# KiCad board motordecoder2-k3066v3-p.kicad_pcb (continued)
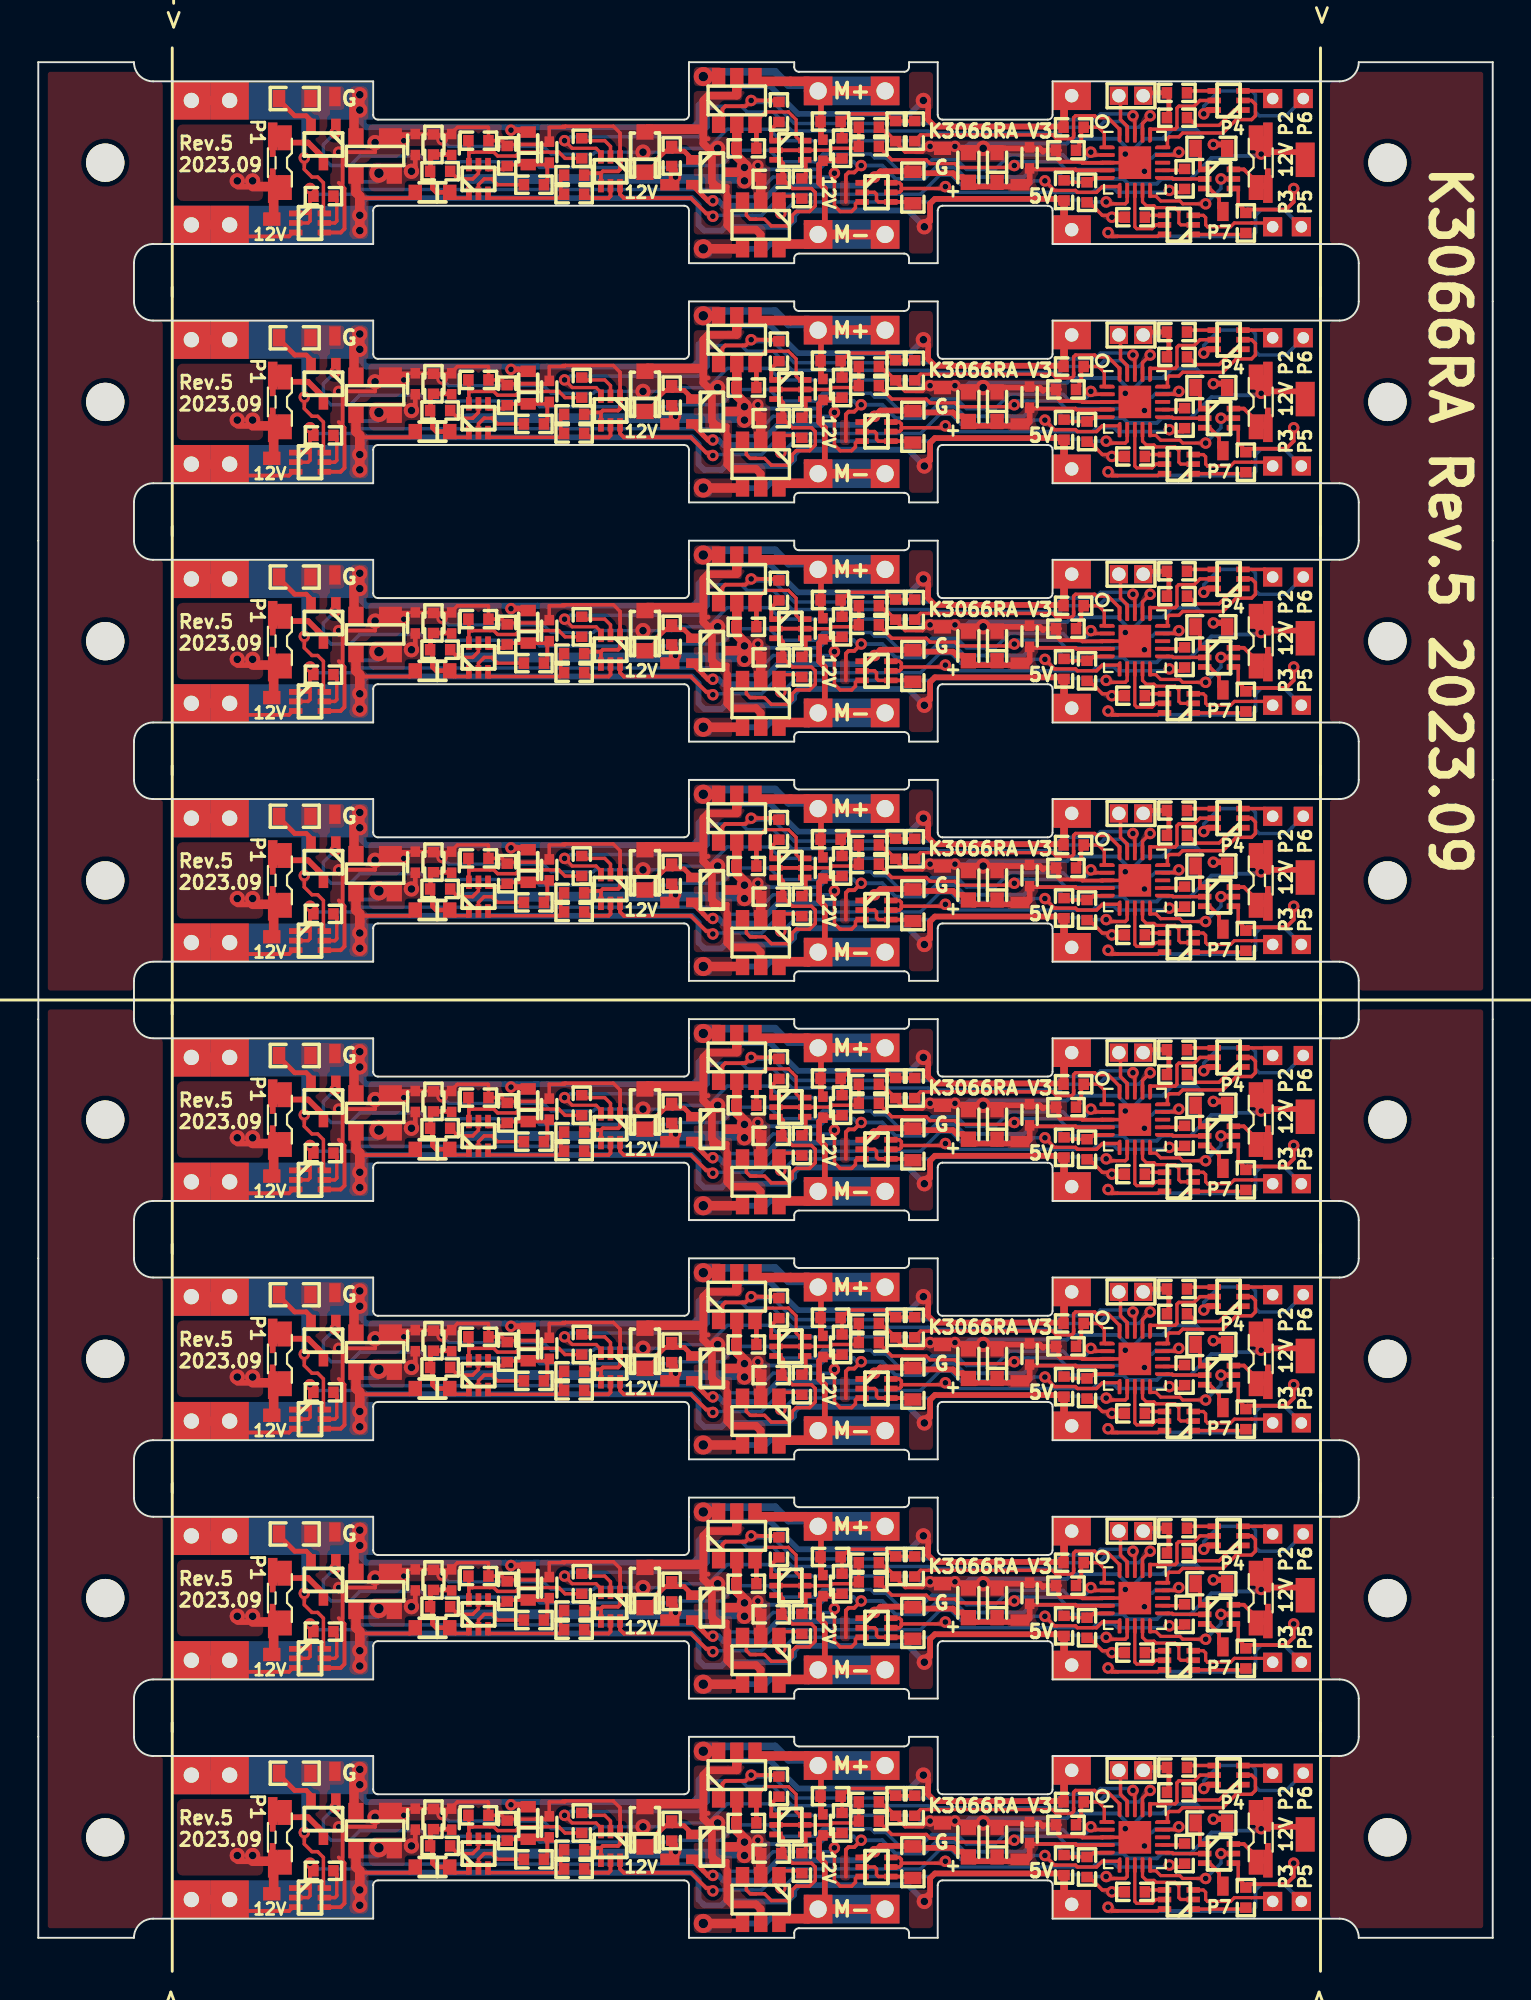
[diagram p0: board, top side]
## Copper pours and planes (outline as drawn; the poured copper is in the pictures) (continued)
MOTOR- on Bottom: 42.24,51.7 42.07,51.71 41.92,51.73 41.8,51.76 41.7,51.8 41.61,51.85 41.52,51.91 41.42,51.97 41.33,52.03 41.21,52.1 41.08,52.17 40.38,51.5 41.08,50.83 41.21,50.9 41.33,50.97 41.42,51.03 41.52,51.09 41.61,51.15 41.7,51.2 41.8,51.24 41.92,51.27 42.07,51.29 42.24,51.3
MOTOR- on Bottom: 40.25,38.25 39.5,38.25 39.25,38 39.25,37.75 34.25,37.75 34.25,38.75 35.75,38.75 36,39 39.25,39 40,39.75 40.25,39.75
MOTOR- on Bottom: 40.25,0.75 39.5,0.75 39.25,0.5 39.25,0.25 34.25,0.25 34.25,1.25 35.75,1.25 36,1.5 39.25,1.5 40,2.25 40.25,2.25
MOTOR- on Bottom: 41.74,76.7 41.63,76.71 41.54,76.73 41.48,76.77 41.42,76.82 41.37,76.88 41.28,77 41.23,77.07 41.16,77.12 41.08,77.17 40.38,76.5 41.08,75.83 41.16,75.88 41.23,75.93 41.28,76 41.37,76.12 41.42,76.18 41.48,76.23 41.54,76.27 41.63,76.29 41.74,76.3
MOTOR- on Bottom: 40.25,50.75 39.5,50.75 39.25,50.5 39.25,50.25 34.25,50.25 34.25,51.25 35.75,51.25 36,51.5 39.25,51.5 40,52.25 40.25,52.25
MOTOR- on Bottom: 40.25,63.25 39.5,63.25 39.25,63 39.25,62.75 34.25,62.75 34.25,63.75 35.75,63.75 36,64 39.25,64 40,64.75 40.25,64.75
MOTOR- on Bottom: 41.74,39.2 41.63,39.21 41.54,39.23 41.48,39.27 41.42,39.32 41.37,39.38 41.28,39.5 41.23,39.57 41.16,39.62 41.08,39.67 40.38,39 41.08,38.33 41.16,38.38 41.23,38.43 41.28,38.5 41.37,38.62 41.42,38.68 41.48,38.73 41.54,38.77 41.63,38.79 41.74,38.8
MOTOR- on Bottom: 42.24,26.7 42.07,26.71 41.92,26.73 41.8,26.76 41.7,26.8 41.61,26.85 41.52,26.91 41.42,26.97 41.33,27.03 41.21,27.1 41.08,27.17 40.38,26.5 41.08,25.83 41.21,25.9 41.33,25.97 41.42,26.03 41.52,26.09 41.61,26.15 41.7,26.2 41.8,26.24 41.92,26.27 42.07,26.29 42.24,26.3
MOTOR- on Bottom: 42.24,39.2 42.07,39.21 41.92,39.23 41.8,39.26 41.7,39.3 41.61,39.35 41.52,39.41 41.42,39.47 41.33,39.53 41.21,39.6 41.08,39.67 40.38,39 41.08,38.33 41.21,38.4 41.33,38.47 41.42,38.53 41.52,38.59 41.61,38.65 41.7,38.7 41.8,38.74 41.92,38.77 42.07,38.79 42.24,38.8
MOTOR- on Bottom: 42.24,1.7 42.07,1.71 41.92,1.73 41.8,1.76 41.7,1.8 41.61,1.85 41.52,1.91 41.42,1.97 41.33,2.03 41.21,2.1 41.08,2.18 40.38,1.5 41.08,0.82 41.21,0.9 41.33,0.97 41.42,1.03 41.52,1.09 41.61,1.15 41.7,1.2 41.8,1.24 41.92,1.27 42.07,1.29 42.24,1.3
MOTOR- on Bottom: 42.24,76.7 42.07,76.71 41.92,76.73 41.8,76.76 41.7,76.8 41.61,76.85 41.52,76.91 41.42,76.97 41.33,77.03 41.21,77.1 41.08,77.17 40.38,76.5 41.08,75.83 41.21,75.9 41.33,75.97 41.42,76.03 41.52,76.09 41.61,76.15 41.7,76.2 41.8,76.24 41.92,76.27 42.07,76.29 42.24,76.3
MOTOR- on Bottom: 41.74,51.7 41.63,51.71 41.54,51.73 41.48,51.77 41.42,51.82 41.37,51.88 41.28,52 41.23,52.07 41.16,52.12 41.08,52.17 40.38,51.5 41.08,50.83 41.16,50.88 41.23,50.93 41.28,51 41.37,51.12 41.42,51.18 41.48,51.23 41.54,51.27 41.63,51.29 41.74,51.3
MOTOR- on Bottom: 42.76,1.3 42.93,1.29 43.08,1.27 43.2,1.24 43.3,1.2 43.39,1.15 43.48,1.09 43.58,1.03 43.67,0.97 43.79,0.9 43.92,0.82 44.62,1.5 43.92,2.18 43.79,2.1 43.67,2.03 43.58,1.97 43.48,1.91 43.39,1.85 43.3,1.8 43.2,1.76 43.08,1.73 42.93,1.71 42.76,1.7
MOTOR- on Bottom: 40.25,25.75 39.5,25.75 39.25,25.5 39.25,25.25 34.25,25.25 34.25,26.25 35.75,26.25 36,26.5 39.25,26.5 40,27.25 40.25,27.25
MOTOR- on Bottom: 42.76,63.8 42.93,63.79 43.08,63.77 43.2,63.74 43.3,63.7 43.39,63.65 43.48,63.59 43.58,63.53 43.67,63.47 43.79,63.4 43.92,63.33 44.62,64 43.92,64.67 43.79,64.6 43.67,64.53 43.58,64.47 43.48,64.41 43.39,64.35 43.3,64.3 43.2,64.26 43.08,64.23 42.93,64.21 42.76,64.2
MOTOR- on Bottom: 41.74,64.2 41.63,64.21 41.54,64.23 41.48,64.27 41.42,64.32 41.37,64.38 41.28,64.5 41.23,64.57 41.16,64.62 41.08,64.67 40.38,64 41.08,63.33 41.16,63.38 41.23,63.43 41.28,63.5 41.37,63.62 41.42,63.68 41.48,63.73 41.54,63.77 41.63,63.79 41.74,63.8
MOTOR- on Bottom: 40.25,75.75 39.5,75.75 39.25,75.5 39.25,75.25 34.25,75.25 34.25,76.25 35.75,76.25 36,76.5 39.25,76.5 40,77.25 40.25,77.25
MOTOR- on Bottom: 42.76,26.3 42.93,26.29 43.08,26.27 43.2,26.24 43.3,26.2 43.39,26.15 43.48,26.09 43.58,26.03 43.67,25.97 43.79,25.9 43.92,25.83 44.62,26.5 43.92,27.17 43.79,27.1 43.67,27.03 43.58,26.97 43.48,26.91 43.39,26.85 43.3,26.8 43.2,26.76 43.08,26.73 42.93,26.71 42.76,26.7
MOTOR- on Bottom: 42.24,14.2 42.07,14.21 41.92,14.23 41.8,14.26 41.7,14.3 41.61,14.35 41.52,14.41 41.42,14.47 41.33,14.53 41.21,14.6 41.08,14.67 40.38,14 41.08,13.32 41.21,13.4 41.33,13.47 41.42,13.53 41.52,13.59 41.61,13.65 41.7,13.7 41.8,13.74 41.92,13.77 42.07,13.79 42.24,13.8
MOTOR- on Bottom: 42.76,76.3 42.93,76.29 43.08,76.27 43.2,76.24 43.3,76.2 43.39,76.15 43.48,76.09 43.58,76.03 43.67,75.97 43.79,75.9 43.92,75.83 44.62,76.5 43.92,77.17 43.79,77.1 43.67,77.03 43.58,76.97 43.48,76.91 43.39,76.85 43.3,76.8 43.2,76.76 43.08,76.73 42.93,76.71 42.76,76.7
MOTOR- on Bottom: 41.74,26.7 41.63,26.71 41.54,26.73 41.48,26.77 41.42,26.82 41.37,26.88 41.28,27 41.23,27.07 41.16,27.12 41.08,27.17 40.38,26.5 41.08,25.83 41.16,25.88 41.23,25.93 41.28,26 41.37,26.12 41.42,26.18 41.48,26.23 41.54,26.27 41.63,26.29 41.74,26.3
MOTOR- on Bottom: 42.76,13.8 42.93,13.79 43.08,13.77 43.2,13.74 43.3,13.7 43.39,13.65 43.48,13.59 43.58,13.53 43.67,13.47 43.79,13.4 43.92,13.32 44.62,14 43.92,14.67 43.79,14.6 43.67,14.53 43.58,14.47 43.48,14.41 43.39,14.35 43.3,14.3 43.2,14.26 43.08,14.23 42.93,14.21 42.76,14.2
RAIL+ on Top: 8.01,95.75 8.24,95.74 8.43,95.71 8.59,95.67 8.73,95.61 8.86,95.54 8.98,95.47 9.1,95.38 9.23,95.29 9.38,95.2 9.56,95.1 10.5,96 9.56,96.9 9.38,96.8 9.23,96.71 9.1,96.62 8.98,96.53 8.86,96.46 8.73,96.39 8.59,96.33 8.43,96.29 8.24,96.26 8.01,96.25
RAIL+ on Top: 9.99,96.25 9.76,96.26 9.57,96.29 9.41,96.33 9.27,96.39 9.14,96.46 9.02,96.53 8.9,96.62 8.77,96.71 8.62,96.8 8.44,96.9 7.5,96 8.44,95.1 8.62,95.2 8.77,95.29 8.9,95.38 9.02,95.47 9.14,95.54 9.27,95.61 9.41,95.67 9.57,95.71 9.76,95.74 9.99,95.75
RAIL+ on Top: 17,94.25 16.25,94.25 16.25,96.75 17.25,96.75 17.25,95 17,95
RAIL+ on Top: 46.75,95.5 45.5,95.5 45.5,97.5 46.75,97.5
RAIL+ on Top: 8.01,20.75 8.24,20.74 8.43,20.71 8.59,20.67 8.73,20.61 8.86,20.54 8.98,20.47 9.1,20.38 9.23,20.29 9.38,20.2 9.56,20.1 10.5,21 9.56,21.9 9.38,21.8 9.23,21.71 9.1,21.62 8.98,21.53 8.86,21.46 8.73,21.39 8.59,21.33 8.43,21.29 8.24,21.26 8.01,21.25
RAIL+ on Top: 46.75,58 45.5,58 45.5,60 46.75,60
RAIL+ on Top: 8.01,70.75 8.24,70.74 8.43,70.71 8.59,70.67 8.73,70.61 8.86,70.54 8.98,70.47 9.1,70.38 9.23,70.29 9.38,70.2 9.56,70.1 10.5,71 9.56,71.9 9.38,71.8 9.23,71.71 9.1,71.62 8.98,71.53 8.86,71.46 8.73,71.39 8.59,71.33 8.43,71.29 8.24,71.26 8.01,71.25
RAIL+ on Top: 9.99,83.75 9.76,83.76 9.57,83.79 9.41,83.83 9.27,83.89 9.14,83.96 9.02,84.03 8.9,84.12 8.77,84.21 8.62,84.3 8.44,84.4 7.5,83.5 8.44,82.6 8.62,82.7 8.77,82.79 8.9,82.88 9.02,82.97 9.14,83.04 9.27,83.11 9.41,83.17 9.57,83.21 9.76,83.24 9.99,83.25
RAIL+ on Top: 46.75,83 45.5,83 45.5,85 46.75,85
RAIL+ on Top: 46.75,70.5 45.5,70.5 45.5,72.5 46.75,72.5
RAIL+ on Top: 17,31.75 16.25,31.75 16.25,34.25 17.25,34.25 17.25,32.5 17,32.5
RAIL+ on Top: 46.75,45.5 45.5,45.5 45.5,47.5 46.75,47.5
RAIL+ on Top: 17,44.25 16.25,44.25 16.25,46.75 17.25,46.75 17.25,45 17,45
RAIL+ on Top: 8.01,83.25 8.24,83.24 8.43,83.21 8.59,83.17 8.73,83.11 8.86,83.04 8.98,82.97 9.1,82.88 9.23,82.79 9.38,82.7 9.56,82.6 10.5,83.5 9.56,84.4 9.38,84.3 9.23,84.21 9.1,84.12 8.98,84.03 8.86,83.96 8.73,83.89 8.59,83.83 8.43,83.79 8.24,83.76 8.01,83.75
RAIL+ on Top: 8.01,58.25 8.24,58.24 8.43,58.21 8.59,58.17 8.73,58.11 8.86,58.04 8.98,57.97 9.1,57.88 9.23,57.79 9.38,57.7 9.56,57.6 10.5,58.5 9.56,59.4 9.38,59.3 9.23,59.21 9.1,59.12 8.98,59.03 8.86,58.96 8.73,58.89 8.59,58.83 8.43,58.79 8.24,58.76 8.01,58.75
RAIL+ on Top: 46.75,33 45.5,33 45.5,35 46.75,35
RAIL+ on Top: 46.75,8 45.5,8 45.5,10 46.75,10
RAIL+ on Top: 8.01,8.25 8.24,8.24 8.43,8.21 8.59,8.17 8.73,8.11 8.86,8.04 8.98,7.97 9.1,7.88 9.23,7.79 9.38,7.7 9.56,7.6 10.5,8.5 9.56,9.4 9.38,9.3 9.23,9.21 9.1,9.12 8.98,9.03 8.86,8.96 8.73,8.89 8.59,8.83 8.43,8.79 8.24,8.76 8.01,8.75
RAIL+ on Top: 17,56.75 16.25,56.75 16.25,59.25 17.25,59.25 17.25,57.5 17,57.5
RAIL+ on Top: 9.99,21.25 9.76,21.26 9.57,21.29 9.41,21.33 9.27,21.39 9.14,21.46 9.02,21.53 8.9,21.62 8.77,21.71 8.62,21.8 8.44,21.9 7.5,21 8.44,20.1 8.62,20.2 8.77,20.29 8.9,20.38 9.02,20.47 9.14,20.54 9.27,20.61 9.41,20.67 9.57,20.71 9.76,20.74 9.99,20.75
RAIL+ on Top: 9.99,58.75 9.76,58.76 9.57,58.79 9.41,58.83 9.27,58.89 9.14,58.96 9.02,59.03 8.9,59.12 8.77,59.21 8.62,59.3 8.44,59.4 7.5,58.5 8.44,57.6 8.62,57.7 8.77,57.79 8.9,57.88 9.02,57.97 9.14,58.04 9.27,58.11 9.41,58.17 9.57,58.21 9.76,58.24 9.99,58.25
RAIL+ on Top: 9.99,8.75 9.76,8.76 9.57,8.79 9.41,8.83 9.27,8.89 9.14,8.96 9.02,9.03 8.9,9.12 8.77,9.21 8.62,9.3 8.44,9.4 7.5,8.5 8.44,7.6 8.62,7.7 8.77,7.79 8.9,7.88 9.02,7.97 9.14,8.04 9.27,8.11 9.41,8.17 9.57,8.21 9.76,8.24 9.99,8.25
RAIL+ on Top: 8.01,33.25 8.24,33.24 8.43,33.21 8.59,33.17 8.73,33.11 8.86,33.04 8.98,32.97 9.1,32.88 9.23,32.79 9.38,32.7 9.56,32.6 10.5,33.5 9.56,34.4 9.38,34.3 9.23,34.21 9.1,34.12 8.98,34.03 8.86,33.96 8.73,33.89 8.59,33.83 8.43,33.79 8.24,33.76 8.01,33.75
RAIL+ on Top: 17,69.25 16.25,69.25 16.25,71.75 17.25,71.75 17.25,70 17,70
RAIL+ on Top: 46.75,20.5 45.5,20.5 45.5,22.5 46.75,22.5
RAIL+ on Top: 9.99,33.75 9.76,33.76 9.57,33.79 9.41,33.83 9.27,33.89 9.14,33.96 9.02,34.03 8.9,34.12 8.77,34.21 8.62,34.3 8.44,34.4 7.5,33.5 8.44,32.6 8.62,32.7 8.77,32.79 8.9,32.88 9.02,32.97 9.14,33.04 9.27,33.11 9.41,33.17 9.57,33.21 9.76,33.24 9.99,33.25
RAIL+ on Top: 9.99,71.25 9.76,71.26 9.57,71.29 9.41,71.33 9.27,71.39 9.14,71.46 9.02,71.53 8.9,71.62 8.77,71.71 8.62,71.8 8.44,71.9 7.5,71 8.44,70.1 8.62,70.2 8.77,70.29 8.9,70.38 9.02,70.47 9.14,70.54 9.27,70.61 9.41,70.67 9.57,70.71 9.76,70.74 9.99,70.75
RAIL+ on Top: 17,6.75 16.25,6.75 16.25,9.25 17.25,9.25 17.25,7.5 17,7.5
RAIL+ on Top: 17,19.25 16.25,19.25 16.25,21.75 17.25,21.75 17.25,20 17,20
RAIL+ on Top: 9.99,46.25 9.76,46.26 9.57,46.29 9.41,46.33 9.27,46.39 9.14,46.46 9.02,46.53 8.9,46.62 8.77,46.71 8.62,46.8 8.44,46.9 7.5,46 8.44,45.1 8.62,45.2 8.77,45.29 8.9,45.38 9.02,45.47 9.14,45.54 9.27,45.61 9.41,45.67 9.57,45.71 9.76,45.74 9.99,45.75
RAIL+ on Top: 17,81.75 16.25,81.75 16.25,84.25 17.25,84.25 17.25,82.5 17,82.5
RAIL+ on Top: 8.01,45.75 8.24,45.74 8.43,45.71 8.59,45.67 8.73,45.61 8.86,45.54 8.98,45.47 9.1,45.38 9.23,45.29 9.38,45.2 9.56,45.1 10.5,46 9.56,46.9 9.38,46.8 9.23,46.71 9.1,46.62 8.98,46.53 8.86,46.46 8.73,46.39 8.59,46.33 8.43,46.29 8.24,46.26 8.01,46.25
RAIL+ on Bottom: 11.99,96.25 11.76,96.26 11.57,96.29 11.41,96.33 11.27,96.39 11.14,96.46 11.02,96.53 10.9,96.62 10.77,96.71 10.62,96.8 10.44,96.9 9.5,96 10.44,95.1 10.62,95.2 10.77,95.29 10.9,95.38 11.02,95.47 11.14,95.54 11.27,95.61 11.41,95.67 11.57,95.71 11.76,95.74 11.99,95.75
RAIL+ on Bottom: 11.99,71.25 11.76,71.26 11.57,71.29 11.41,71.33 11.27,71.39 11.14,71.46 11.02,71.53 10.9,71.62 10.77,71.71 10.62,71.8 10.44,71.9 9.5,71 10.44,70.1 10.62,70.2 10.77,70.29 10.9,70.38 11.02,70.47 11.14,70.54 11.27,70.61 11.41,70.67 11.57,70.71 11.76,70.74 11.99,70.75
RAIL+ on Bottom: 11.99,8.75 11.76,8.76 11.57,8.79 11.41,8.83 11.27,8.89 11.14,8.96 11.02,9.03 10.9,9.12 10.77,9.21 10.62,9.3 10.44,9.4 9.5,8.5 10.44,7.6 10.62,7.7 10.77,7.79 10.9,7.88 11.02,7.97 11.14,8.04 11.27,8.11 11.41,8.17 11.57,8.21 11.76,8.24 11.99,8.25
RAIL+ on Bottom: 11.99,33.75 11.76,33.76 11.57,33.79 11.41,33.83 11.27,33.89 11.14,33.96 11.02,34.03 10.9,34.12 10.77,34.21 10.62,34.3 10.44,34.4 9.5,33.5 10.44,32.6 10.62,32.7 10.77,32.79 10.9,32.88 11.02,32.97 11.14,33.04 11.27,33.11 11.41,33.17 11.57,33.21 11.76,33.24 11.99,33.25
RAIL+ on Bottom: 11.99,21.25 11.76,21.26 11.57,21.29 11.41,21.33 11.27,21.39 11.14,21.46 11.02,21.53 10.9,21.62 10.77,21.71 10.62,21.8 10.44,21.9 9.5,21 10.44,20.1 10.62,20.2 10.77,20.29 10.9,20.38 11.02,20.47 11.14,20.54 11.27,20.61 11.41,20.67 11.57,20.71 11.76,20.74 11.99,20.75
RAIL+ on Bottom: 11.99,46.25 11.76,46.26 11.57,46.29 11.41,46.33 11.27,46.39 11.14,46.46 11.02,46.53 10.9,46.62 10.77,46.71 10.62,46.8 10.44,46.9 9.5,46 10.44,45.1 10.62,45.2 10.77,45.29 10.9,45.38 11.02,45.47 11.14,45.54 11.27,45.61 11.41,45.67 11.57,45.71 11.76,45.74 11.99,45.75
RAIL+ on Bottom: 11.99,83.75 11.76,83.76 11.57,83.79 11.41,83.83 11.27,83.89 11.14,83.96 11.02,84.03 10.9,84.12 10.77,84.21 10.62,84.3 10.44,84.4 9.5,83.5 10.44,82.6 10.62,82.7 10.77,82.79 10.9,82.88 11.02,82.97 11.14,83.04 11.27,83.11 11.41,83.17 11.57,83.21 11.76,83.24 11.99,83.25
RAIL+ on Bottom: 11.99,58.75 11.76,58.76 11.57,58.79 11.41,58.83 11.27,58.89 11.14,58.96 11.02,59.03 10.9,59.12 10.77,59.21 10.62,59.3 10.44,59.4 9.5,58.5 10.44,57.6 10.62,57.7 10.77,57.79 10.9,57.88 11.02,57.97 11.14,58.04 11.27,58.11 11.41,58.17 11.57,58.21 11.76,58.24 11.99,58.25
RAIL- on Top: 9.99,89.75 9.76,89.76 9.57,89.79 9.41,89.83 9.27,89.89 9.14,89.96 9.02,90.03 8.9,90.12 8.77,90.21 8.62,90.3 8.44,90.4 7.5,89.5 8.44,88.6 8.62,88.7 8.77,88.79 8.9,88.88 9.02,88.97 9.14,89.04 9.27,89.11 9.41,89.17 9.57,89.21 9.76,89.24 9.99,89.25
RAIL- on Top: 8.01,89.25 8.24,89.24 8.43,89.21 8.59,89.17 8.73,89.11 8.86,89.04 8.98,88.97 9.1,88.88 9.23,88.79 9.38,88.7 9.56,88.6 10.5,89.5 9.56,90.4 9.38,90.3 9.23,90.21 9.1,90.12 8.98,90.03 8.86,89.96 8.73,89.89 8.59,89.83 8.43,89.79 8.24,89.76 8.01,89.75
RAIL- on Top: 17.25,88.75 16.25,88.75 16.25,92 17,92 17,91.23 17.25,91
RAIL- on Top: 46.75,88 45.5,88 45.5,90 46.75,90
RAIL- on Top: 46.75,75.5 45.5,75.5 45.5,77.5 46.75,77.5
RAIL- on Top: 46.75,25.5 45.5,25.5 45.5,27.5 46.75,27.5
RAIL- on Top: 8.01,14.25 8.24,14.24 8.43,14.21 8.59,14.17 8.73,14.11 8.86,14.04 8.98,13.97 9.1,13.88 9.23,13.79 9.38,13.7 9.56,13.6 10.5,14.5 9.56,15.4 9.38,15.3 9.23,15.21 9.1,15.12 8.98,15.03 8.86,14.96 8.73,14.89 8.59,14.83 8.43,14.79 8.24,14.76 8.01,14.75
RAIL- on Top: 8.01,1.75 8.24,1.74 8.43,1.71 8.59,1.67 8.73,1.61 8.86,1.54 8.98,1.47 9.1,1.38 9.23,1.29 9.38,1.2 9.56,1.1 10.5,2 9.56,2.9 9.38,2.8 9.23,2.71 9.1,2.62 8.98,2.53 8.86,2.46 8.73,2.39 8.59,2.33 8.43,2.29 8.24,2.26 8.01,2.25
RAIL- on Top: 8.01,76.75 8.24,76.74 8.43,76.71 8.59,76.67 8.73,76.61 8.86,76.54 8.98,76.47 9.1,76.38 9.23,76.29 9.38,76.2 9.56,76.1 10.5,77 9.56,77.9 9.38,77.8 9.23,77.71 9.1,77.62 8.98,77.53 8.86,77.46 8.73,77.39 8.59,77.33 8.43,77.29 8.24,77.26 8.01,77.25
RAIL- on Top: 9.99,77.25 9.76,77.26 9.57,77.29 9.41,77.33 9.27,77.39 9.14,77.46 9.02,77.53 8.9,77.62 8.77,77.71 8.62,77.8 8.44,77.9 7.5,77 8.44,76.1 8.62,76.2 8.77,76.29 8.9,76.38 9.02,76.47 9.14,76.54 9.27,76.61 9.41,76.67 9.57,76.71 9.76,76.74 9.99,76.75
RAIL- on Top: 8.01,51.75 8.24,51.74 8.43,51.71 8.59,51.67 8.73,51.61 8.86,51.54 8.98,51.47 9.1,51.38 9.23,51.29 9.38,51.2 9.56,51.1 10.5,52 9.56,52.9 9.38,52.8 9.23,52.71 9.1,52.62 8.98,52.53 8.86,52.46 8.73,52.39 8.59,52.33 8.43,52.29 8.24,52.26 8.01,52.25
RAIL- on Top: 9.99,14.75 9.76,14.76 9.57,14.79 9.41,14.83 9.27,14.89 9.14,14.96 9.02,15.03 8.9,15.12 8.77,15.21 8.62,15.3 8.44,15.4 7.5,14.5 8.44,13.6 8.62,13.7 8.77,13.79 8.9,13.88 9.02,13.97 9.14,14.04 9.27,14.11 9.41,14.17 9.57,14.21 9.76,14.24 9.99,14.25
RAIL- on Top: 9.99,39.75 9.76,39.76 9.57,39.79 9.41,39.83 9.27,39.89 9.14,39.96 9.02,40.03 8.9,40.12 8.77,40.21 8.62,40.3 8.44,40.4 7.5,39.5 8.44,38.6 8.62,38.7 8.77,38.79 8.9,38.88 9.02,38.97 9.14,39.04 9.27,39.11 9.41,39.17 9.57,39.21 9.76,39.24 9.99,39.25
RAIL- on Top: 17.25,13.75 16.25,13.75 16.25,17 17,17 17,16.23 17.25,16
RAIL- on Top: 46.75,63 45.5,63 45.5,65 46.75,65
RAIL- on Top: 8.01,26.75 8.24,26.74 8.43,26.71 8.59,26.67 8.73,26.61 8.86,26.54 8.98,26.47 9.1,26.38 9.23,26.29 9.38,26.2 9.56,26.1 10.5,27 9.56,27.9 9.38,27.8 9.23,27.71 9.1,27.62 8.98,27.53 8.86,27.46 8.73,27.39 8.59,27.33 8.43,27.29 8.24,27.26 8.01,27.25
RAIL- on Top: 17.25,51.25 16.25,51.25 16.25,54.5 17,54.5 17,53.73 17.25,53.5
RAIL- on Top: 46.75,38 45.5,38 45.5,40 46.75,40
RAIL- on Top: 46.75,13 45.5,13 45.5,15 46.75,15
RAIL- on Top: 9.99,52.25 9.76,52.26 9.57,52.29 9.41,52.33 9.27,52.39 9.14,52.46 9.02,52.53 8.9,52.62 8.77,52.71 8.62,52.8 8.44,52.9 7.5,52 8.44,51.1 8.62,51.2 8.77,51.29 8.9,51.38 9.02,51.47 9.14,51.54 9.27,51.61 9.41,51.67 9.57,51.71 9.76,51.74 9.99,51.75
RAIL- on Top: 17.25,76.25 16.25,76.25 16.25,79.5 17,79.5 17,78.73 17.25,78.5
RAIL- on Top: 17.25,38.75 16.25,38.75 16.25,42 17,42 17,41.23 17.25,41
RAIL- on Top: 9.99,2.25 9.76,2.26 9.57,2.29 9.41,2.33 9.27,2.39 9.14,2.46 9.02,2.53 8.9,2.62 8.77,2.71 8.62,2.8 8.44,2.9 7.5,2 8.44,1.1 8.62,1.2 8.77,1.29 8.9,1.38 9.02,1.47 9.14,1.54 9.27,1.61 9.41,1.67 9.57,1.71 9.76,1.74 9.99,1.75
RAIL- on Top: 46.75,0.5 45.5,0.5 45.5,2.5 46.75,2.5
RAIL- on Top: 8.01,64.25 8.24,64.24 8.43,64.21 8.59,64.17 8.73,64.11 8.86,64.04 8.98,63.97 9.1,63.88 9.23,63.79 9.38,63.7 9.56,63.6 10.5,64.5 9.56,65.4 9.38,65.3 9.23,65.21 9.1,65.12 8.98,65.03 8.86,64.96 8.73,64.89 8.59,64.83 8.43,64.79 8.24,64.76 8.01,64.75
RAIL- on Top: 46.75,50.5 45.5,50.5 45.5,52.5 46.75,52.5
RAIL- on Top: 17.25,26.25 16.25,26.25 16.25,29.5 17,29.5 17,28.73 17.25,28.5
RAIL- on Top: 8.01,39.25 8.24,39.24 8.43,39.21 8.59,39.17 8.73,39.11 8.86,39.04 8.98,38.97 9.1,38.88 9.23,38.79 9.38,38.7 9.56,38.6 10.5,39.5 9.56,40.4 9.38,40.3 9.23,40.21 9.1,40.12 8.98,40.03 8.86,39.96 8.73,39.89 8.59,39.83 8.43,39.79 8.24,39.76 8.01,39.75
RAIL- on Top: 17.25,63.75 16.25,63.75 16.25,67 17,67 17,66.23 17.25,66
RAIL- on Top: 17.25,1.25 16.25,1.25 16.25,4.5 17,4.5 17,3.73 17.25,3.5
RAIL- on Top: 9.99,64.75 9.76,64.76 9.57,64.79 9.41,64.83 9.27,64.89 9.14,64.96 9.02,65.03 8.9,65.12 8.77,65.21 8.62,65.3 8.44,65.4 7.5,64.5 8.44,63.6 8.62,63.7 8.77,63.79 8.9,63.88 9.02,63.97 9.14,64.04 9.27,64.11 9.41,64.17 9.57,64.21 9.76,64.24 9.99,64.25
RAIL- on Top: 9.99,27.25 9.76,27.26 9.57,27.29 9.41,27.33 9.27,27.39 9.14,27.46 9.02,27.53 8.9,27.62 8.77,27.71 8.62,27.8 8.44,27.9 7.5,27 8.44,26.1 8.62,26.2 8.77,26.29 8.9,26.38 9.02,26.47 9.14,26.54 9.27,26.61 9.41,26.67 9.57,26.71 9.76,26.74 9.99,26.75
RAIL- on Bottom: 11.99,89.75 11.76,89.76 11.57,89.79 11.41,89.83 11.27,89.89 11.14,89.96 11.02,90.03 10.9,90.12 10.77,90.21 10.62,90.3 10.44,90.4 9.5,89.5 10.44,88.6 10.62,88.7 10.77,88.79 10.9,88.88 11.02,88.97 11.14,89.04 11.27,89.11 11.41,89.17 11.57,89.21 11.76,89.24 11.99,89.25
RAIL- on Bottom: 11.99,52.25 11.76,52.26 11.57,52.29 11.41,52.33 11.27,52.39 11.14,52.46 11.02,52.53 10.9,52.62 10.77,52.71 10.62,52.8 10.44,52.9 9.5,52 10.44,51.1 10.62,51.2 10.77,51.29 10.9,51.38 11.02,51.47 11.14,51.54 11.27,51.61 11.41,51.67 11.57,51.71 11.76,51.74 11.99,51.75
RAIL- on Bottom: 11.99,27.25 11.76,27.26 11.57,27.29 11.41,27.33 11.27,27.39 11.14,27.46 11.02,27.53 10.9,27.62 10.77,27.71 10.62,27.8 10.44,27.9 9.5,27 10.44,26.1 10.62,26.2 10.77,26.29 10.9,26.38 11.02,26.47 11.14,26.54 11.27,26.61 11.41,26.67 11.57,26.71 11.76,26.74 11.99,26.75
RAIL- on Bottom: 11.99,2.25 11.76,2.26 11.57,2.29 11.41,2.33 11.27,2.39 11.14,2.46 11.02,2.53 10.9,2.62 10.77,2.71 10.62,2.8 10.44,2.9 9.5,2 10.44,1.1 10.62,1.2 10.77,1.29 10.9,1.38 11.02,1.47 11.14,1.54 11.27,1.61 11.41,1.67 11.57,1.71 11.76,1.74 11.99,1.75
RAIL- on Bottom: 11.99,14.75 11.76,14.76 11.57,14.79 11.41,14.83 11.27,14.89 11.14,14.96 11.02,15.03 10.9,15.12 10.77,15.21 10.62,15.3 10.44,15.4 9.5,14.5 10.44,13.6 10.62,13.7 10.77,13.79 10.9,13.88 11.02,13.97 11.14,14.04 11.27,14.11 11.41,14.17 11.57,14.21 11.76,14.24 11.99,14.25
RAIL- on Bottom: 11.99,39.75 11.76,39.76 11.57,39.79 11.41,39.83 11.27,39.89 11.14,39.96 11.02,40.03 10.9,40.12 10.77,40.21 10.62,40.3 10.44,40.4 9.5,39.5 10.44,38.6 10.62,38.7 10.77,38.79 10.9,38.88 11.02,38.97 11.14,39.04 11.27,39.11 11.41,39.17 11.57,39.21 11.76,39.24 11.99,39.25
RAIL- on Bottom: 11.99,77.25 11.76,77.26 11.57,77.29 11.41,77.33 11.27,77.39 11.14,77.46 11.02,77.53 10.9,77.62 10.77,77.71 10.62,77.8 10.44,77.9 9.5,77 10.44,76.1 10.62,76.2 10.77,76.29 10.9,76.38 11.02,76.47 11.14,76.54 11.27,76.61 11.41,76.67 11.57,76.71 11.76,76.74 11.99,76.75
RAIL- on Bottom: 11.99,64.75 11.76,64.76 11.57,64.79 11.41,64.83 11.27,64.89 11.14,64.96 11.02,65.03 10.9,65.12 10.77,65.21 10.62,65.3 10.44,65.4 9.5,64.5 10.44,63.6 10.62,63.7 10.77,63.79 10.9,63.88 11.02,63.97 11.14,64.04 11.27,64.11 11.41,64.17 11.57,64.21 11.76,64.24 11.99,64.25

Small or netless copper shapes (teardrops, artwork), in the pictures only: 280 on Top, 208 on Bottom

## Text on the board
B.Silkscreen: P2 | P3 | P5 | P6 | RAIL+ | RAIL- | PROG | Rev.5 2023.09 | K3066RA V3
F.Silkscreen: 12V | P7 | P4 | P2 | P3 | P6 | P5 | P1 | Rev.5 / 2023.09 | K3066RA V3 | G | 5V | M+ | M- | <- V-CUT | K3066RA Rev.5 2023.09
